# KiCad board eurocard mux.kicad_pcb (continued)
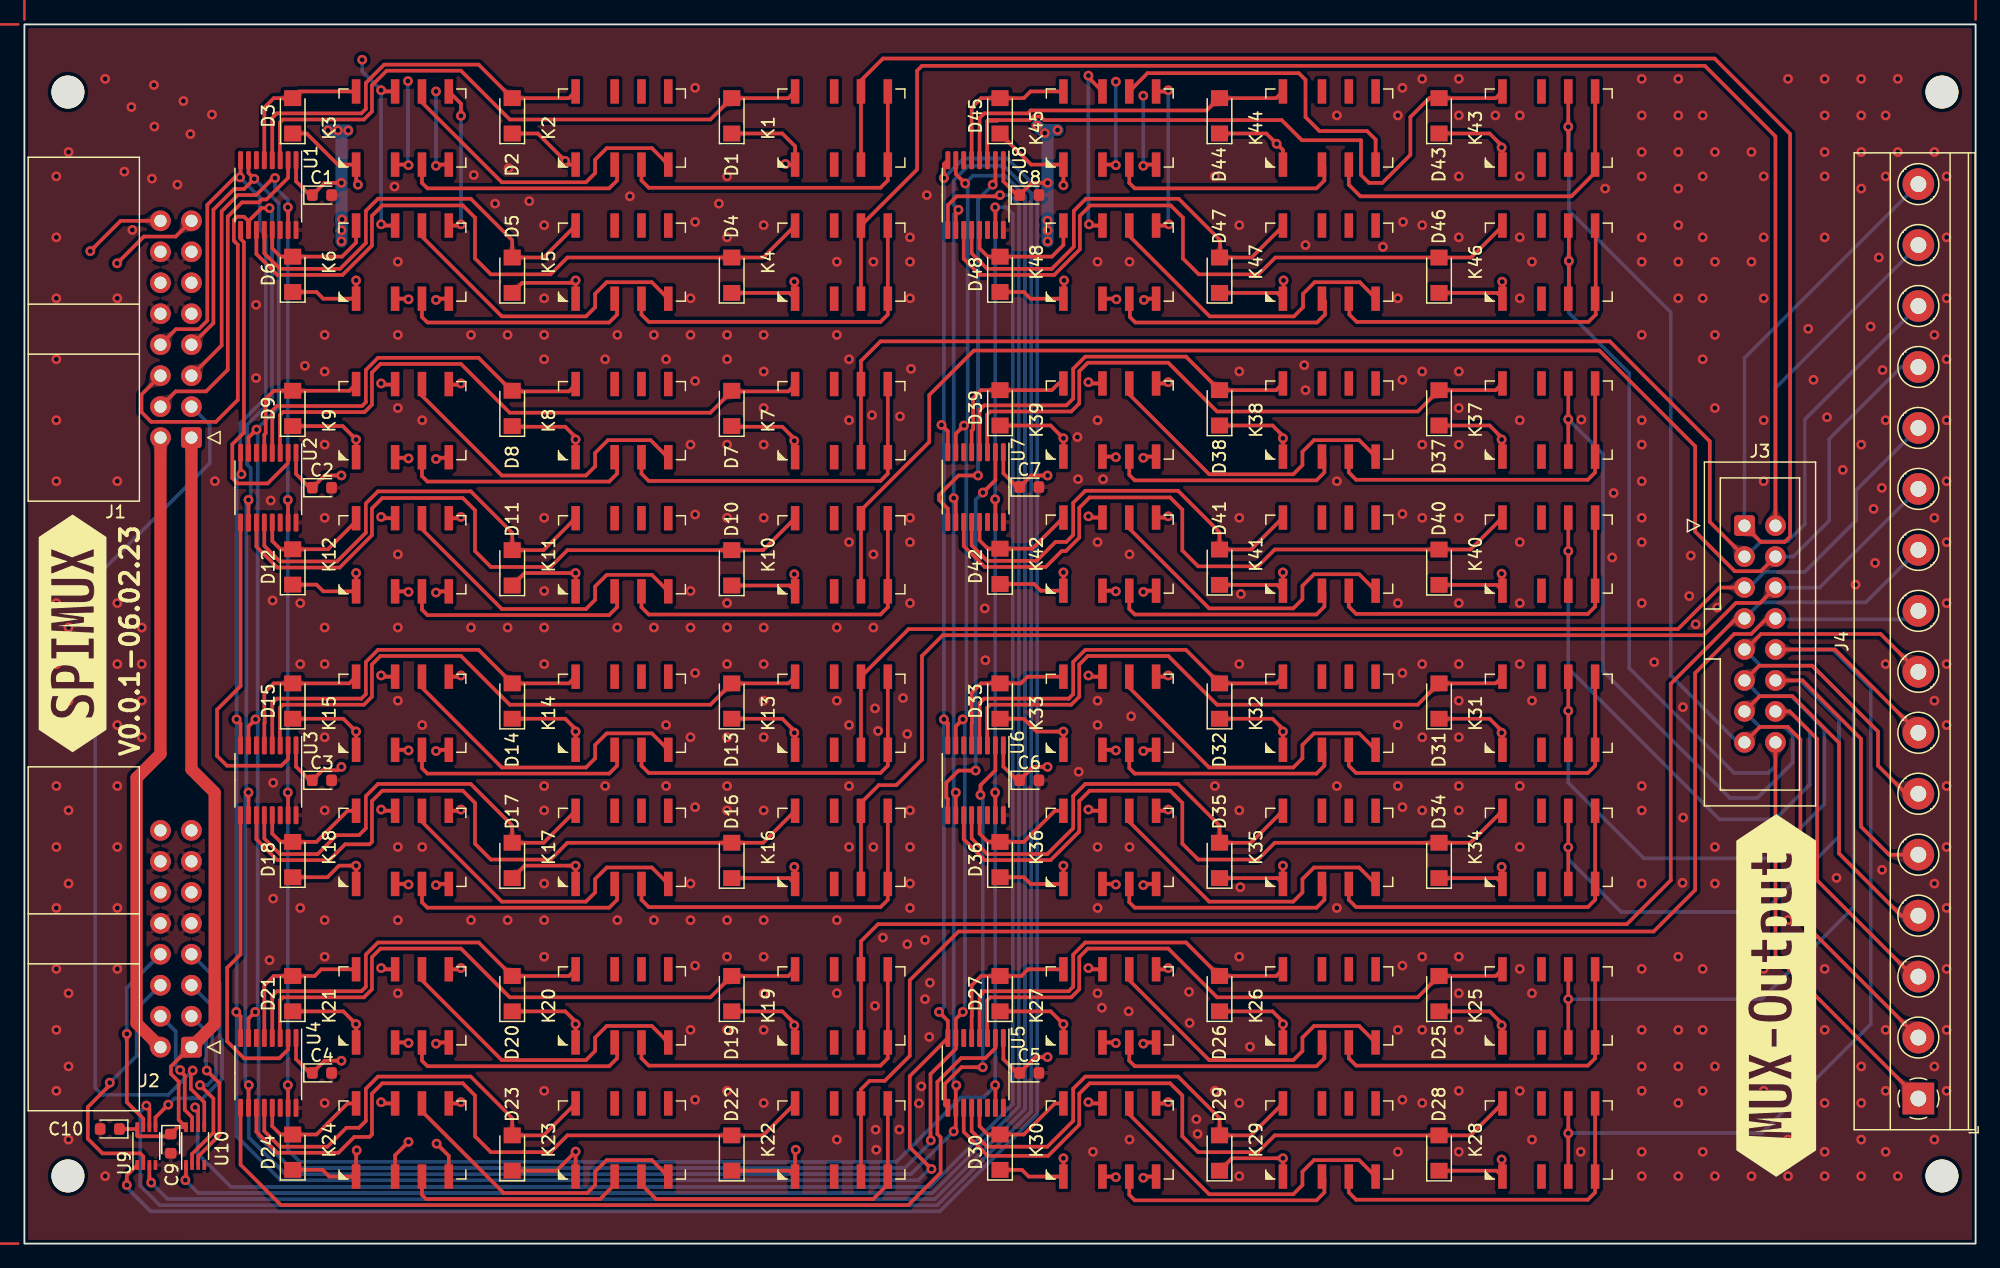
[diagram p0: board, top side]
## Routing (per net, layer and track width the routed paths; a pad name or vN(x,y) marks a point on that pad's centre or on a via; arc(x,y) is an arc through that point) (continued)
Net-(K2-Pad2): length 19.3
  Top w0.3: K3.3 32.6,87 33.05,86.55 47.95,86.55 48.6,87.2 48.6,88.3 K2.2
Net-(K2-Pad4): length 26.2
  Top w0.3: K3.6 32.6,93.6 39.15,87.05 46.05,87.05 46.8,87.8 46.8,88.9 47.75,89.85 51.45,89.85 K2.4
Net-(K4-Pad4): length 29.3
  Top w0.3: K5.3 50.6,76.2 51.2,75.6 70.2,75.6 70.8,76.2 K4.4 K4.5
Net-(K5-Pad2): length 19.3
  Top w0.3: K5.2 48.6,77.3 48.6,76.2 47.95,75.55 33.05,75.55 32.6,76 K6.3
Net-(K5-Pad4): length 26.2
  Top w0.3: K5.4 51.45,78.85 47.75,78.85 46.8,77.9 46.8,76.8 46.05,76.05 39.15,76.05 32.6,82.6 K6.6
Net-(K7-Pad4): length 29.3
  Top w0.3: 70.8,70.45 70.8,63.15 70.2,62.55 51.2,62.55 50.6,63.15 50.6,64.45
Net-(K8-Pad2): length 19.3
  Top w0.3: 48.4,64.45 48.6,64.25 48.6,63.15 47.95,62.5 33.05,62.5 32.6,62.95 32.6,64.45
Net-(K8-Pad4): length 26.3
  Top w0.3: 32.6,70.45 32.6,69.55 39.15,63 46.05,63 46.8,63.75 46.8,64.85 47.85,65.9 51.35,65.9 52.8,64.45
Net-(K10-Pad4): length 29.3
  Top w0.3: K11.3 50.6,52.2 51.2,51.6 70.2,51.6 70.8,52.2 K10.4 K10.5
Net-(K11-Pad2): length 19.3
  Top w0.3: K12.3 32.6,52 33.05,51.55 47.95,51.55 48.6,52.2 48.6,53.3 K11.2
Net-(K11-Pad4): length 26.2
  Top w0.3: K11.4 51.45,54.85 47.75,54.85 46.8,53.9 46.8,52.8 46.05,52.05 39.15,52.05 32.6,58.6 K12.6
Net-(K13-Pad4): length 29.3
  Top w0.3: K13.5 K13.4 70.8,39.2 70.2,38.6 51.2,38.6 50.6,39.2 K14.3
Net-(K14-Pad2): length 19.3
  Top w0.3: K14.2 48.6,40.3 48.6,39.2 47.95,38.55 33.05,38.55 32.6,39 K15.3
Net-(K14-Pad4): length 26.2
  Top w0.3: K15.6 32.6,45.6 39.15,39.05 46.05,39.05 46.8,39.8 46.8,40.9 47.75,41.85 51.45,41.85 K14.4
Net-(K16-Pad4): length 29.3
  Top w0.3: K17.3 50.6,28.2 51.2,27.6 70.2,27.6 70.8,28.2 K16.4 K16.5
Net-(K17-Pad2): length 19.3
  Top w0.3: K17.2 48.6,29.3 48.6,28.2 47.95,27.55 33.05,27.55 32.6,28 K18.3
Net-(K17-Pad4): length 26.2
  Top w0.3: K17.4 51.45,30.85 47.75,30.85 46.8,29.9 46.8,28.8 46.05,28.05 39.15,28.05 32.6,34.6 K18.6
Net-(K19-Pad4): length 29.3
  Top w0.3: K20.3 50.6,15.2 51.2,14.6 70.2,14.6 70.8,15.2 K19.4 K19.5
Net-(K20-Pad2): length 19.3
  Top w0.3: K21.3 32.6,15 33.05,14.55 47.95,14.55 48.6,15.2 48.6,16.3 K20.2
Net-(K20-Pad4): length 26.2
  Top w0.3: K20.4 51.45,17.85 47.75,17.85 46.8,16.9 46.8,15.8 46.05,15.05 39.15,15.05 32.6,21.6 K21.6
Net-(K22-Pad4): length 28.5
  Top w0.3: K23.3 50.6,4.85 51.8,3.65 69.6,3.65 70.8,4.85 K22.4 K22.5
Net-(K23-Pad2): length 18.6
  Top w0.3: K24.3 32.6,4 32.95,3.65 47.2,3.65 48.4,4.85 K23.2
Net-(K23-Pad4): length 25.9
  Top w0.3: K23.4 51.45,6.85 47.75,6.85 46.8,5.9 46.8,4.8 46.15,4.15 39.3,4.15 32.6,10.85 K24.6
Net-(K25-Pad4): length 29.3
  Top w0.3: K25.5 K25.4 128.8,15.2 128.2,14.6 109.2,14.6 108.6,15.2 K26.3
Net-(K26-Pad2): length 19.3
  Top w0.3: K27.3 90.6,15 91.05,14.55 105.95,14.55 106.6,15.2 106.6,16.3 K26.2
Net-(K26-Pad4): length 26.2
  Top w0.3: K27.6 90.6,21.6 97.15,15.05 104.05,15.05 104.8,15.8 104.8,16.9 105.75,17.85 109.45,17.85 K26.4
Net-(K28-Pad4): length 29.3
  Top w0.3: K28.5 K28.4 128.8,4.2 128.2,3.6 109.2,3.6 108.6,4.2 K29.3
Net-(K29-Pad2): length 19.3
  Top w0.3: K29.2 106.6,5.3 106.6,4.2 105.95,3.55 91.05,3.55 90.6,4 K30.3
Net-(K29-Pad4): length 26.2
  Top w0.3: K29.4 109.45,6.85 105.75,6.85 104.8,5.9 104.8,4.8 104.05,4.05 97.15,4.05 90.6,10.6 K30.6
Net-(K31-Pad4): length 29.3
  Top w0.3: K32.3 108.6,39.2 109.2,38.6 128.2,38.6 128.8,39.2 K31.4 K31.5
Net-(K32-Pad2): length 19.3
  Top w0.3: K33.3 90.6,39 91.05,38.55 105.95,38.55 106.6,39.2 106.6,40.3 K32.2
Net-(K32-Pad4): length 26.2
  Top w0.3: K32.4 109.45,41.85 105.75,41.85 104.8,40.9 104.8,39.8 104.05,39.05 97.15,39.05 90.6,45.6 K33.6
Net-(K34-Pad4): length 29.3
  Top w0.3: K34.5 K34.4 128.8,28.2 128.2,27.6 109.2,27.6 108.6,28.2 K35.3
Net-(K35-Pad2): length 19.3
  Top w0.3: K35.2 106.6,29.3 106.6,28.2 105.95,27.55 91.05,27.55 90.6,28 K36.3
Net-(K35-Pad4): length 26.2
  Top w0.3: K35.4 109.45,30.85 105.75,30.85 104.8,29.9 104.8,28.8 104.05,28.05 97.15,28.05 90.6,34.6 K36.6
Net-(K37-Pad4): length 29.3
  Top w0.3: K37.5 K37.4 128.8,63.25 128.2,62.65 109.2,62.65 108.6,63.25 K38.3
Net-(K38-Pad2): length 19.3
  Top w0.3: K38.2 106.6,64.35 106.6,63.25 105.95,62.6 91.05,62.6 90.6,63.05 K39.3
Net-(K38-Pad4): length 26.2
  Top w0.3: K39.6 90.6,69.65 97.15,63.1 104.05,63.1 104.8,63.85 104.8,64.95 105.75,65.9 109.45,65.9 K38.4
Net-(K40-Pad4): length 29.3
  Top w0.3: K40.5 K40.4 128.8,52.25 128.2,51.65 109.2,51.65 108.6,52.25 K41.3
Net-(K41-Pad2): length 19.3
  Top w0.3: K42.3 90.6,52.05 91.05,51.6 105.95,51.6 106.6,52.25 106.6,53.35 K41.2
Net-(K41-Pad4): length 26.2
  Top w0.3: K41.4 109.45,54.9 105.75,54.9 104.8,53.95 104.8,52.85 104.05,52.1 97.15,52.1 90.6,58.65 K42.6
Net-(K43-Pad4): length 29.7
  Top w0.3: K43.5 K43.4 128.8,87.85 126.85,85.9 109.55,85.9 108.6,86.85 K44.3
Net-(K44-Pad2): length 19.3
  Top w0.3: K44.2 106.6,88.3 106.6,87.2 105.95,86.55 91.05,86.55 90.6,87 K45.3
Net-(K44-Pad4): length 26.9
  Top w0.3: K45.6 92.1,96 104.5,96 105.05,95.45 105.05,92.4 106.2,91.25 110.1,91.25 110.8,90.55 K44.4
Net-(K46-Pad4): length 29.3
  Top w0.3: 128.85,83.5 128.85,76.2 128.25,75.6 109.25,75.6 108.65,76.2 108.65,77.5
Net-(K47-Pad2): length 19.3
  Top w0.3: 90.65,77.5 90.65,76 91.1,75.55 106,75.55 106.65,76.2 106.65,77.3 106.45,77.5
Net-(K47-Pad4): length 26.2
  Top w0.3: 110.85,77.5 109.5,78.85 105.8,78.85 104.85,77.9 104.85,76.8 104.1,76.05 97.2,76.05 90.65,82.6 90.65,83.5

## Copper pours and planes (outline as drawn; the poured copper is in the pictures)
+5V on Top: 14.54,17.66 14.4,17.53 14.29,17.41 14.18,17.32 14.08,17.24 13.98,17.17 13.88,17.11 13.78,17.06 13.67,17.01 13.55,16.96 13.42,16.91 13.4,15.81 14.5,15.83 14.55,15.97 14.6,16.09 14.65,16.2 14.7,16.3 14.76,16.39 14.83,16.49 14.91,16.59 15,16.7 15.11,16.82 15.25,16.95
+5V on Top: 12.54,14.85 12.69,14.98 12.82,15.08 12.95,15.14 13.07,15.18 13.19,15.2 13.31,15.21 13.44,15.22 13.58,15.23 13.73,15.25 13.9,15.29 14.02,16.38 12.92,16.46 12.85,16.29 12.81,16.13 12.78,15.99 12.75,15.86 12.73,15.73 12.69,15.61 12.64,15.49 12.57,15.36 12.47,15.22 12.33,15.06
+5V on Top: 14.2,64.42 14.2,64.61 14.2,64.77 14.21,64.92 14.23,65.04 14.25,65.16 14.27,65.27 14.31,65.38 14.35,65.49 14.4,65.61 14.46,65.74 13.7,66.53 12.93,65.74 12.99,65.61 13.05,65.49 13.09,65.38 13.12,65.27 13.15,65.16 13.17,65.04 13.18,64.92 13.19,64.77 13.2,64.61 13.2,64.42
+5V on In2.Cu: 14.54,67.66 14.4,67.53 14.29,67.41 14.18,67.32 14.08,67.24 13.98,67.17 13.88,67.11 13.78,67.06 13.67,67.01 13.55,66.96 13.42,66.91 13.4,65.81 14.5,65.83 14.55,65.97 14.6,66.09 14.65,66.2 14.7,66.3 14.76,66.39 14.83,66.49 14.91,66.59 15,66.7 15.11,66.82 15.25,66.95
+12V on Top: 117.29,91.2 117.14,91.21 117.02,91.23 116.91,91.25 116.82,91.29 116.74,91.34 116.67,91.39 116.59,91.45 116.5,91.51 116.4,91.57 116.28,91.63 115.68,91.05 116.28,90.47 116.4,90.53 116.5,90.59 116.59,90.65 116.67,90.71 116.74,90.76 116.82,90.81 116.91,90.85 117.02,90.87 117.14,90.89 117.29,90.9
+12V on Top: 99.29,54.18 99.14,54.19 99.02,54.2 98.91,54.23 98.82,54.27 98.74,54.32 98.67,54.37 98.59,54.43 98.5,54.49 98.4,54.55 98.28,54.61 97.68,54.03 98.28,53.44 98.4,53.51 98.5,53.57 98.59,53.63 98.67,53.69 98.74,53.74 98.82,53.79 98.91,53.82 99.02,53.85 99.14,53.87 99.29,53.88
+12V on Top: 59.29,54.13 59.14,54.14 59.02,54.15 58.91,54.18 58.82,54.22 58.74,54.27 58.67,54.32 58.59,54.38 58.5,54.44 58.4,54.5 58.28,54.56 57.67,53.98 58.28,53.39 58.4,53.46 58.5,53.52 58.59,53.58 58.67,53.64 58.74,53.69 58.82,53.74 58.91,53.77 59.02,53.8 59.14,53.82 59.29,53.83
+12V on Top: 99.29,78.13 99.14,78.14 99.02,78.15 98.91,78.18 98.82,78.22 98.74,78.27 98.67,78.32 98.59,78.38 98.5,78.44 98.4,78.5 98.28,78.56 97.68,77.98 98.28,77.39 98.4,77.46 98.5,77.52 98.59,77.58 98.67,77.64 98.74,77.69 98.82,77.74 98.91,77.77 99.02,77.8 99.14,77.82 99.29,77.83
+12V on Top: 117.29,54.18 117.14,54.19 117.02,54.2 116.91,54.23 116.82,54.27 116.74,54.32 116.67,54.37 116.59,54.43 116.5,54.49 116.4,54.55 116.28,54.61 115.68,54.03 116.28,53.44 116.4,53.51 116.5,53.57 116.59,53.63 116.67,53.69 116.74,53.74 116.82,53.79 116.91,53.82 117.02,53.85 117.14,53.87 117.29,53.88
+12V on Top: 23.29,78.2 23.14,78.21 23.02,78.23 22.91,78.25 22.82,78.29 22.74,78.34 22.67,78.39 22.59,78.45 22.5,78.51 22.4,78.57 22.28,78.64 21.67,78.05 22.28,77.47 22.4,77.53 22.5,77.59 22.59,77.65 22.67,77.71 22.74,77.76 22.82,77.81 22.91,77.85 23.02,77.87 23.14,77.89 23.29,77.9
+12V on Top: 23.36,91.05 23.26,91.14 23.16,91.21 23.07,91.25 22.98,91.28 22.81,91.32 22.72,91.34 22.64,91.38 22.55,91.43 22.46,91.51 21.67,91.05 22.28,90.47 22.39,90.53 22.48,90.6 22.57,90.69 22.65,90.77 22.73,90.84 22.81,90.9 22.89,90.94 22.97,90.94 23.05,90.91 23.15,90.84
+12V on Top: 117.29,6.13 117.14,6.14 117.02,6.15 116.91,6.18 116.82,6.22 116.74,6.27 116.67,6.32 116.59,6.38 116.5,6.44 116.4,6.5 116.28,6.56 115.68,5.98 116.28,5.39 116.4,5.46 116.5,5.52 116.59,5.58 116.67,5.64 116.74,5.69 116.82,5.74 116.91,5.77 117.02,5.8 117.14,5.82 117.29,5.83
+12V on Top: 98.81,7 98.7,6.9 98.59,6.82 98.5,6.77 98.41,6.73 98.32,6.71 98.23,6.69 98.13,6.68 98.03,6.66 97.91,6.63 97.79,6.59 97.77,5.75 98.61,5.77 98.65,5.89 98.68,6.01 98.7,6.11 98.71,6.21 98.73,6.3 98.75,6.39 98.79,6.48 98.84,6.57 98.92,6.67 99.02,6.78
+12V on Top: 59.29,30.13 59.14,30.14 59.02,30.15 58.91,30.18 58.82,30.22 58.74,30.27 58.67,30.32 58.59,30.38 58.5,30.44 58.4,30.5 58.28,30.56 57.67,29.98 58.28,29.39 58.4,29.46 58.5,29.52 58.59,29.58 58.67,29.64 58.74,29.69 58.82,29.74 58.91,29.77 59.02,29.8 59.14,29.82 59.29,29.83
+12V on Top: 59.29,78.13 59.14,78.14 59.02,78.15 58.91,78.18 58.82,78.22 58.74,78.27 58.67,78.32 58.59,78.38 58.5,78.44 58.4,78.5 58.28,78.56 57.67,77.98 58.28,77.39 58.4,77.46 58.5,77.52 58.59,77.58 58.67,77.64 58.74,77.69 58.82,77.74 58.91,77.77 59.02,77.8 59.14,77.82 59.29,77.83
+12V on Top: 81.29,19.2 81.14,19.21 81.02,19.23 80.91,19.25 80.82,19.29 80.74,19.34 80.67,19.39 80.59,19.45 80.5,19.51 80.4,19.57 80.28,19.64 79.68,19.05 80.28,18.47 80.4,18.53 80.5,18.59 80.59,18.65 80.67,18.71 80.74,18.76 80.82,18.81 80.91,18.85 81.02,18.87 81.14,18.89 81.29,18.9
+12V on Top: 81.29,78.2 81.14,78.21 81.02,78.23 80.91,78.25 80.82,78.29 80.74,78.34 80.67,78.39 80.59,78.45 80.5,78.51 80.4,78.57 80.28,78.64 79.68,78.05 80.28,77.47 80.4,77.53 80.5,77.59 80.59,77.65 80.67,77.71 80.74,77.76 80.82,77.81 80.91,77.85 81.02,77.87 81.14,77.89 81.29,77.9
+12V on Top: 81.02,90.24 80.92,90.35 80.84,90.46 80.79,90.55 80.75,90.64 80.73,90.73 80.71,90.82 80.7,90.92 80.68,91.02 80.65,91.14 80.61,91.26 79.77,91.28 79.79,90.44 79.91,90.4 80.03,90.37 80.13,90.35 80.23,90.34 80.32,90.32 80.41,90.3 80.5,90.26 80.59,90.21 80.7,90.13 80.81,90.03
+12V on Top: 40.81,31 40.7,30.9 40.59,30.82 40.5,30.77 40.41,30.73 40.32,30.71 40.23,30.69 40.13,30.68 40.03,30.66 39.91,30.63 39.79,30.59 39.77,29.75 40.61,29.77 40.65,29.89 40.68,30.01 40.7,30.11 40.71,30.21 40.73,30.3 40.75,30.39 40.79,30.48 40.84,30.57 40.92,30.67 41.02,30.78
+12V on Top: 40.81,55 40.7,54.9 40.59,54.82 40.5,54.77 40.41,54.73 40.32,54.71 40.23,54.69 40.13,54.68 40.03,54.66 39.91,54.63 39.79,54.59 39.77,53.75 40.61,53.77 40.65,53.89 40.68,54.01 40.7,54.11 40.71,54.21 40.73,54.3 40.75,54.39 40.79,54.48 40.84,54.57 40.92,54.67 41.02,54.78
+12V on Top: 99.29,91.2 99.14,91.21 99.02,91.23 98.91,91.25 98.82,91.29 98.74,91.34 98.67,91.39 98.59,91.45 98.5,91.51 98.4,91.57 98.28,91.63 97.68,91.05 98.28,90.47 98.4,90.53 98.5,90.59 98.59,90.65 98.67,90.71 98.74,90.76 98.82,90.81 98.91,90.85 99.02,90.87 99.14,90.89 99.29,90.9
+12V on Top: 23.29,19.2 23.14,19.21 23.02,19.23 22.91,19.25 22.82,19.29 22.74,19.34 22.67,19.39 22.59,19.45 22.5,19.51 22.4,19.57 22.28,19.64 21.67,19.05 22.28,18.47 22.4,18.53 22.5,18.59 22.59,18.65 22.67,18.71 22.74,18.76 22.82,18.81 22.91,18.85 23.02,18.87 23.14,18.89 23.29,18.9
+12V on Top: 23.29,43.2 23.14,43.21 23.02,43.23 22.91,43.25 22.82,43.29 22.74,43.34 22.67,43.39 22.59,43.45 22.5,43.51 22.4,43.57 22.28,43.64 21.67,43.05 22.28,42.47 22.4,42.53 22.5,42.59 22.59,42.65 22.67,42.71 22.74,42.76 22.82,42.81 22.91,42.85 23.02,42.87 23.14,42.89 23.29,42.9
+12V on Top: 41.29,91.2 41.14,91.21 41.02,91.23 40.91,91.25 40.82,91.29 40.74,91.34 40.67,91.39 40.59,91.45 40.5,91.51 40.4,91.57 40.28,91.63 39.67,91.05 40.28,90.47 40.4,90.53 40.5,90.59 40.59,90.65 40.67,90.71 40.74,90.76 40.82,90.81 40.91,90.85 41.02,90.87 41.14,90.89 41.29,90.9
+12V on Top: 59.29,91.2 59.14,91.21 59.02,91.23 58.91,91.25 58.82,91.29 58.74,91.34 58.67,91.39 58.59,91.45 58.5,91.51 58.4,91.57 58.28,91.63 57.67,91.05 58.28,90.47 58.4,90.53 58.5,90.59 58.59,90.65 58.67,90.71 58.74,90.76 58.82,90.81 58.91,90.85 59.02,90.87 59.14,90.89 59.29,90.9
+12V on Top: 117.29,19.2 117.14,19.21 117.02,19.23 116.91,19.25 116.82,19.29 116.74,19.34 116.67,19.39 116.59,19.45 116.5,19.51 116.4,19.57 116.28,19.64 115.68,19.05 116.28,18.47 116.4,18.53 116.5,18.59 116.59,18.65 116.67,18.71 116.74,18.76 116.82,18.81 116.91,18.85 117.02,18.87 117.14,18.89 117.29,18.9
+12V on Top: 41.29,67.15 41.14,67.16 41.02,67.18 40.92,67.21 40.84,67.24 40.76,67.29 40.69,67.35 40.53,67.47 40.44,67.54 40.33,67.61 39.68,67.08 40.24,66.44 40.36,66.5 40.47,66.56 40.56,66.61 40.64,66.66 40.72,66.71 40.81,66.76 40.9,66.8 41.01,66.83 41.14,66.84 41.29,66.85
+12V on Top: 99.29,67.25 99.14,67.26 99.02,67.28 98.91,67.3 98.82,67.34 98.74,67.39 98.67,67.44 98.59,67.5 98.5,67.56 98.4,67.62 98.28,67.69 97.68,67.1 98.28,66.52 98.4,66.58 98.5,66.64 98.59,66.7 98.67,66.76 98.74,66.81 98.82,66.86 98.91,66.9 99.02,66.92 99.14,66.94 99.29,66.95
+12V on Top: 59.29,19.2 59.14,19.21 59.02,19.23 58.91,19.25 58.82,19.29 58.74,19.34 58.67,19.39 58.59,19.45 58.5,19.51 58.4,19.57 58.28,19.64 57.67,19.05 58.28,18.47 58.4,18.53 58.5,18.59 58.59,18.65 58.67,18.71 58.74,18.76 58.82,18.81 58.91,18.85 59.02,18.87 59.14,18.89 59.29,18.9
+12V on Top: 99.29,43.2 99.14,43.21 99.02,43.23 98.91,43.25 98.82,43.29 98.74,43.34 98.67,43.39 98.59,43.45 98.5,43.51 98.4,43.57 98.28,43.64 97.68,43.05 98.28,42.47 98.4,42.53 98.5,42.59 98.59,42.65 98.67,42.71 98.74,42.76 98.82,42.81 98.91,42.85 99.02,42.87 99.14,42.89 99.29,42.9
+12V on Top: 117.29,43.2 117.14,43.21 117.02,43.23 116.91,43.25 116.82,43.29 116.74,43.34 116.67,43.39 116.59,43.45 116.5,43.51 116.4,43.57 116.28,43.64 115.68,43.05 116.28,42.47 116.4,42.53 116.5,42.59 116.59,42.65 116.67,42.71 116.74,42.76 116.82,42.81 116.91,42.85 117.02,42.87 117.14,42.89 117.29,42.9
+12V on Top: 41.29,19.2 41.14,19.21 41.02,19.23 40.91,19.25 40.82,19.29 40.74,19.34 40.67,19.39 40.59,19.45 40.5,19.51 40.4,19.57 40.28,19.64 39.67,19.05 40.28,18.47 40.4,18.53 40.5,18.59 40.59,18.65 40.67,18.71 40.74,18.76 40.82,18.81 40.91,18.85 41.02,18.87 41.14,18.89 41.29,18.9
+12V on Top: 41.29,6.13 41.14,6.14 41.02,6.15 40.91,6.18 40.82,6.22 40.74,6.27 40.67,6.32 40.59,6.38 40.5,6.44 40.4,6.5 40.28,6.56 39.67,5.98 40.28,5.39 40.4,5.46 40.5,5.52 40.59,5.58 40.67,5.64 40.74,5.69 40.82,5.74 40.91,5.77 41.02,5.8 41.14,5.82 41.29,5.83
+12V on Top: 117.29,30.13 117.14,30.14 117.02,30.15 116.91,30.18 116.82,30.22 116.74,30.27 116.67,30.32 116.59,30.38 116.5,30.44 116.4,30.5 116.28,30.56 115.68,29.98 116.28,29.39 116.4,29.46 116.5,29.52 116.59,29.58 116.67,29.64 116.74,29.69 116.82,29.74 116.91,29.77 117.02,29.8 117.14,29.82 117.29,29.83
+12V on Top: 59.29,6.13 59.14,6.14 59.02,6.15 58.91,6.18 58.82,6.22 58.74,6.27 58.67,6.32 58.59,6.38 58.5,6.44 58.4,6.5 58.28,6.56 57.67,5.98 58.28,5.39 58.4,5.46 58.5,5.52 58.59,5.58 58.67,5.64 58.74,5.69 58.82,5.74 58.91,5.77 59.02,5.8 59.14,5.82 59.29,5.83
+12V on Top: 81.29,6.2 81.14,6.21 81.02,6.23 80.91,6.25 80.82,6.29 80.74,6.34 80.67,6.39 80.59,6.45 80.5,6.51 80.4,6.57 80.28,6.63 79.68,6.05 80.28,5.47 80.4,5.53 80.5,5.59 80.59,5.65 80.67,5.71 80.74,5.76 80.82,5.81 80.91,5.85 81.02,5.87 81.14,5.89 81.29,5.9
+12V on Top: 117.3,78.13 117.15,78.14 117.02,78.15 116.92,78.18 116.83,78.22 116.75,78.27 116.67,78.32 116.59,78.38 116.5,78.44 116.4,78.5 116.28,78.56 115.68,77.98 116.28,77.39 116.4,77.46 116.5,77.52 116.59,77.58 116.67,77.64 116.75,77.69 116.83,77.74 116.92,77.77 117.02,77.8 117.15,77.82 117.3,77.83
+12V on Top: 81.29,30.2 81.14,30.21 81.02,30.23 80.91,30.25 80.82,30.29 80.74,30.34 80.67,30.39 80.59,30.45 80.5,30.51 80.4,30.57 80.28,30.64 79.68,30.05 80.28,29.47 80.4,29.53 80.5,29.59 80.59,29.65 80.67,29.71 80.74,29.76 80.82,29.81 80.91,29.85 81.02,29.87 81.14,29.89 81.29,29.9
+12V on Top: 81.29,43.2 81.14,43.21 81.02,43.23 80.91,43.25 80.82,43.29 80.74,43.34 80.67,43.39 80.59,43.45 80.5,43.51 80.4,43.57 80.28,43.64 79.68,43.05 80.28,42.47 80.4,42.53 80.5,42.59 80.59,42.65 80.67,42.71 80.74,42.76 80.82,42.81 80.91,42.85 81.02,42.87 81.14,42.89 81.29,42.9
+12V on Top: 11.66,64.42 11.66,64.61 11.66,64.77 11.67,64.92 11.69,65.04 11.71,65.16 11.73,65.27 11.77,65.38 11.81,65.49 11.86,65.61 11.92,65.74 11.16,66.53 10.39,65.74 10.45,65.61 10.51,65.49 10.55,65.38 10.58,65.27 10.61,65.16 10.63,65.04 10.64,64.92 10.65,64.77 10.66,64.61 10.66,64.42
+12V on Top: 117.29,67.25 117.14,67.26 117.02,67.28 116.91,67.3 116.82,67.34 116.74,67.39 116.67,67.44 116.59,67.5 116.5,67.56 116.4,67.62 116.28,67.69 115.68,67.1 116.28,66.52 116.4,66.58 116.5,66.64 116.59,66.7 116.67,66.76 116.74,66.81 116.82,66.86 116.91,66.9 117.02,66.92 117.14,66.94 117.29,66.95
+12V on Top: 23.29,54.2 23.14,54.21 23.02,54.23 22.91,54.25 22.82,54.29 22.74,54.34 22.67,54.39 22.59,54.45 22.5,54.51 22.4,54.57 22.28,54.64 21.67,54.05 22.28,53.47 22.4,53.53 22.5,53.59 22.59,53.65 22.67,53.71 22.74,53.76 22.82,53.81 22.91,53.85 23.02,53.87 23.14,53.89 23.29,53.9
+12V on Top: 81.29,54.25 81.14,54.26 81.02,54.28 80.91,54.3 80.82,54.34 80.74,54.39 80.67,54.44 80.59,54.5 80.5,54.56 80.4,54.62 80.28,54.69 79.68,54.1 80.28,53.52 80.4,53.58 80.5,53.64 80.59,53.7 80.67,53.76 80.74,53.81 80.82,53.86 80.91,53.9 81.02,53.92 81.14,53.94 81.29,53.95
+12V on Top: 59.29,67.15 59.14,67.16 59.02,67.18 58.92,67.21 58.84,67.24 58.76,67.29 58.69,67.35 58.53,67.47 58.44,67.54 58.33,67.61 57.68,67.08 58.24,66.44 58.36,66.5 58.47,66.56 58.56,66.61 58.64,66.66 58.72,66.71 58.81,66.76 58.9,66.8 59.01,66.83 59.14,66.84 59.29,66.85
+12V on Top: 81.29,67.25 81.14,67.26 81.02,67.28 80.91,67.3 80.82,67.34 80.74,67.39 80.67,67.44 80.59,67.5 80.5,67.56 80.4,67.62 80.28,67.69 79.68,67.1 80.28,66.52 80.4,66.58 80.5,66.64 80.59,66.7 80.67,66.76 80.74,66.81 80.82,66.86 80.91,66.9 81.02,66.92 81.14,66.94 81.29,66.95
+12V on Top: 23.29,30.2 23.14,30.21 23.02,30.23 22.91,30.25 22.82,30.29 22.74,30.34 22.67,30.39 22.59,30.45 22.5,30.51 22.4,30.57 22.28,30.64 21.67,30.05 22.28,29.47 22.4,29.53 22.5,29.59 22.59,29.65 22.67,29.71 22.74,29.76 22.82,29.81 22.91,29.85 23.02,29.87 23.14,29.89 23.29,29.9
+12V on Top: 40.96,78.95 40.82,78.94 40.71,78.92 40.61,78.88 40.53,78.84 40.38,78.74 40.31,78.7 40.22,78.66 40.12,78.64 40,78.63 39.77,77.75 40.61,77.77 40.64,77.88 40.66,78.01 40.66,78.13 40.66,78.25 40.66,78.35 40.67,78.45 40.7,78.53 40.75,78.6 40.84,78.64 40.96,78.65
+12V on Top: 59.29,43.2 59.14,43.21 59.02,43.23 58.91,43.25 58.82,43.29 58.74,43.34 58.67,43.39 58.59,43.45 58.5,43.51 58.4,43.57 58.28,43.64 57.67,43.05 58.28,42.47 58.4,42.53 58.5,42.59 58.59,42.65 58.67,42.71 58.74,42.76 58.82,42.81 58.91,42.85 59.02,42.87 59.14,42.89 59.29,42.9
+12V on Top: 9.61,16.95 9.74,16.82 9.85,16.7 9.95,16.59 10.03,16.49 10.1,16.39 10.16,16.3 10.21,16.2 10.26,16.09 10.31,15.97 10.35,15.83 11.46,15.81 11.44,16.91 11.3,16.96 11.18,17.01 11.07,17.06 10.97,17.11 10.87,17.17 10.78,17.24 10.68,17.32 10.57,17.41 10.45,17.53 10.32,17.66
+12V on Top: 99.29,30.13 99.14,30.14 99.02,30.15 98.91,30.18 98.82,30.22 98.74,30.27 98.67,30.32 98.59,30.38 98.5,30.44 98.4,30.5 98.28,30.56 97.68,29.98 98.28,29.39 98.4,29.46 98.5,29.52 98.59,29.58 98.67,29.64 98.74,29.69 98.82,29.74 98.91,29.77 99.02,29.8 99.14,29.82 99.29,29.83
+12V on Top: 23.29,6.2 23.14,6.21 23.02,6.23 22.91,6.25 22.82,6.29 22.74,6.34 22.67,6.39 22.59,6.45 22.5,6.51 22.4,6.57 22.28,6.63 21.67,6.05 22.28,5.47 22.4,5.53 22.5,5.59 22.59,5.65 22.67,5.71 22.74,5.76 22.82,5.81 22.91,5.85 23.02,5.87 23.14,5.89 23.29,5.9
+12V on Top: 23.29,67.2 23.14,67.21 23.02,67.23 22.91,67.25 22.82,67.29 22.74,67.34 22.67,67.39 22.59,67.45 22.5,67.51 22.4,67.57 22.28,67.64 21.67,67.05 22.28,66.47 22.4,66.53 22.5,66.59 22.59,66.65 22.67,66.71 22.74,66.76 22.82,66.81 22.91,66.85 23.02,66.87 23.14,66.89 23.29,66.9
+12V on Top: 41.29,43.2 41.14,43.21 41.02,43.23 40.91,43.25 40.82,43.29 40.74,43.34 40.67,43.39 40.59,43.45 40.5,43.51 40.4,43.57 40.28,43.64 39.67,43.05 40.28,42.47 40.4,42.53 40.5,42.59 40.59,42.65 40.67,42.71 40.74,42.76 40.82,42.81 40.91,42.85 41.02,42.87 41.14,42.89 41.29,42.9
+12V on Top: 99.29,19.2 99.14,19.21 99.02,19.23 98.91,19.25 98.82,19.29 98.74,19.34 98.67,19.39 98.59,19.45 98.5,19.51 98.4,19.57 98.28,19.64 97.68,19.05 98.28,18.47 98.4,18.53 98.5,18.59 98.59,18.65 98.67,18.71 98.74,18.76 98.82,18.81 98.91,18.85 99.02,18.87 99.14,18.89 99.29,18.9
+12V on In2.Cu: 11.86,64.91 11.79,65 11.74,65.08 11.72,65.16 11.72,65.25 11.73,65.33 11.76,65.41 11.79,65.49 11.84,65.57 11.88,65.66 11.92,65.74 11.16,66.53 10.56,65.51 10.65,65.39 10.72,65.27 10.76,65.15 10.79,65.03 10.81,64.9 10.84,64.77 10.88,64.64 10.94,64.5 11.03,64.35 11.16,64.2
/buffer/device_enable_conn on Bottom: 10.07,22.43 10.22,22.56 10.35,22.66 10.48,22.72 10.6,22.77 10.72,22.79 10.84,22.81 10.97,22.82 11.11,22.84 11.27,22.88 11.44,22.93 11.46,24.03 10.35,24.01 10.3,23.84 10.27,23.68 10.25,23.54 10.24,23.41 10.22,23.29 10.19,23.17 10.15,23.05 10.09,22.92 9.99,22.79 9.86,22.64
/buffer/serial_clock_conn on Bottom: 15,20.1 14.87,20.25 14.77,20.38 14.7,20.51 14.66,20.63 14.64,20.75 14.62,20.87 14.6,21 14.58,21.14 14.55,21.3 14.5,21.47 13.4,21.49 13.42,20.39 13.59,20.34 13.74,20.3 13.88,20.28 14.01,20.27 14.14,20.25 14.26,20.23 14.38,20.18 14.5,20.12 14.64,20.02 14.79,19.89
/buffer/serial_out_conn on Bottom: 12.46,17.56 12.33,17.71 12.23,17.84 12.16,17.97 12.12,18.09 12.1,18.21 12.08,18.33 12.06,18.46 12.04,18.6 12.01,18.76 11.96,18.93 10.86,18.95 10.88,17.85 11.05,17.8 11.2,17.76 11.34,17.74 11.47,17.73 11.6,17.71 11.72,17.69 11.84,17.64 11.96,17.58 12.1,17.48 12.25,17.35
/buffer/Serial_return_conn on Bottom: 15,17.56 14.87,17.71 14.77,17.84 14.7,17.97 14.66,18.09 14.64,18.21 14.62,18.33 14.6,18.46 14.58,18.6 14.55,18.76 14.5,18.93 13.4,18.95 13.42,17.85 13.59,17.8 13.74,17.76 13.88,17.74 14.01,17.73 14.14,17.71 14.26,17.69 14.38,17.64 14.5,17.58 14.64,17.48 14.79,17.35
/buffer/synch_clr_conn on Bottom: 15,22.64 14.87,22.79 14.77,22.92 14.7,23.05 14.66,23.17 14.64,23.29 14.62,23.41 14.6,23.54 14.58,23.68 14.55,23.84 14.5,24.01 13.4,24.03 13.42,22.93 13.59,22.88 13.74,22.84 13.88,22.82 14.01,22.81 14.14,22.79 14.26,22.77 14.38,22.72 14.5,22.66 14.64,22.56 14.79,22.43
/buffer/transf_out_conn on Bottom: 10.07,19.89 10.22,20.02 10.35,20.12 10.48,20.18 10.6,20.23 10.72,20.25 10.84,20.27 10.97,20.28 11.11,20.3 11.27,20.34 11.44,20.39 11.46,21.49 10.35,21.47 10.3,21.3 10.27,21.14 10.25,21 10.24,20.87 10.22,20.75 10.19,20.63 10.15,20.51 10.09,20.38 9.99,20.25 9.86,20.1
/Relay_group1/Relays1/ai/pow on Top: 41.29,94.1 41.14,94.11 41.02,94.13 40.91,94.15 40.82,94.19 40.74,94.24 40.67,94.29 40.59,94.35 40.5,94.41 40.4,94.47 40.28,94.53 39.67,93.95 40.28,93.37 40.4,93.43 40.5,93.49 40.59,93.55 40.67,93.61 40.74,93.66 40.82,93.71 40.91,93.75 41.02,93.77 41.14,93.79 41.29,93.8
/Relay_group1/Relays1/ai/pow on Top: 38.98,94.76 39.08,94.65 39.16,94.54 39.21,94.45 39.25,94.36 39.27,94.27 39.29,94.18 39.3,94.08 39.32,93.98 39.35,93.86 39.39,93.74 40.23,93.72 40.21,94.56 40.09,94.6 39.97,94.63 39.87,94.65 39.77,94.66 39.68,94.68 39.59,94.7 39.5,94.74 39.41,94.79 39.3,94.87 39.19,94.97
/Relay_group1/Relays1/in/out on Top: 23.07,94.65 22.92,94.65 22.8,94.64 22.69,94.64 22.6,94.63 22.34,94.61 22.24,94.61 22.13,94.6 22,94.6 21.77,93.72 22.61,93.74 22.64,93.83 22.69,94.01 22.71,94.09 22.74,94.16 22.78,94.22 22.83,94.28 22.89,94.32 22.97,94.34 23.07,94.35
/Relay_group1/Relays1/in/out on Top: 20.71,93.8 20.86,93.79 20.98,93.77 21.09,93.75 21.18,93.71 21.26,93.66 21.33,93.61 21.41,93.55 21.5,93.49 21.6,93.43 21.72,93.37 22.33,93.95 21.72,94.53 21.6,94.47 21.5,94.41 21.41,94.35 21.33,94.29 21.26,94.24 21.18,94.19 21.09,94.15 20.98,94.13 20.86,94.11 20.71,94.1
/Relay_group1/Relays1/on/off on Top: 59.29,94.1 59.14,94.11 59.02,94.13 58.91,94.15 58.82,94.19 58.74,94.24 58.67,94.29 58.59,94.35 58.5,94.41 58.4,94.47 58.28,94.53 57.67,93.95 58.28,93.37 58.4,93.43 58.5,93.49 58.59,93.55 58.67,93.61 58.74,93.66 58.82,93.71 58.91,93.75 59.02,93.77 59.14,93.79 59.29,93.8
/Relay_group1/Relays1/on/off on Top: 57.19,92.93 57.3,93.03 57.41,93.11 57.5,93.16 57.59,93.2 57.68,93.22 57.77,93.24 57.87,93.25 57.97,93.27 58.09,93.3 58.21,93.34 58.23,94.18 57.39,94.16 57.35,94.04 57.32,93.92 57.3,93.82 57.29,93.72 57.27,93.63 57.25,93.54 57.21,93.45 57.16,93.36 57.08,93.25 56.98,93.14
/Relay_group1/Relays2/ai/pow on Top: 41.29,81.03 41.14,81.04 41.02,81.05 40.91,81.08 40.82,81.12 40.74,81.17 40.67,81.22 40.59,81.28 40.5,81.34 40.4,81.4 40.28,81.46 39.67,80.88 40.28,80.29 40.4,80.36 40.5,80.42 40.59,80.48 40.67,80.54 40.74,80.59 40.82,80.64 40.91,80.67 41.02,80.7 41.14,80.72 41.29,80.73